# Altium PCB SFYTH_PCB2.PcbDoc (part 3 of 3)
Units mil, origin at the board's own origin, x right, y up, seen from the top; angles counter-clockwise.
Board outline 3935.4 x 3935 mil, 2 copper layers (Top Layer, Bottom Layer); 60 components, 80 nets, 272 pads, 22 vias.
Unrouted connection lines stored in the file: 3.
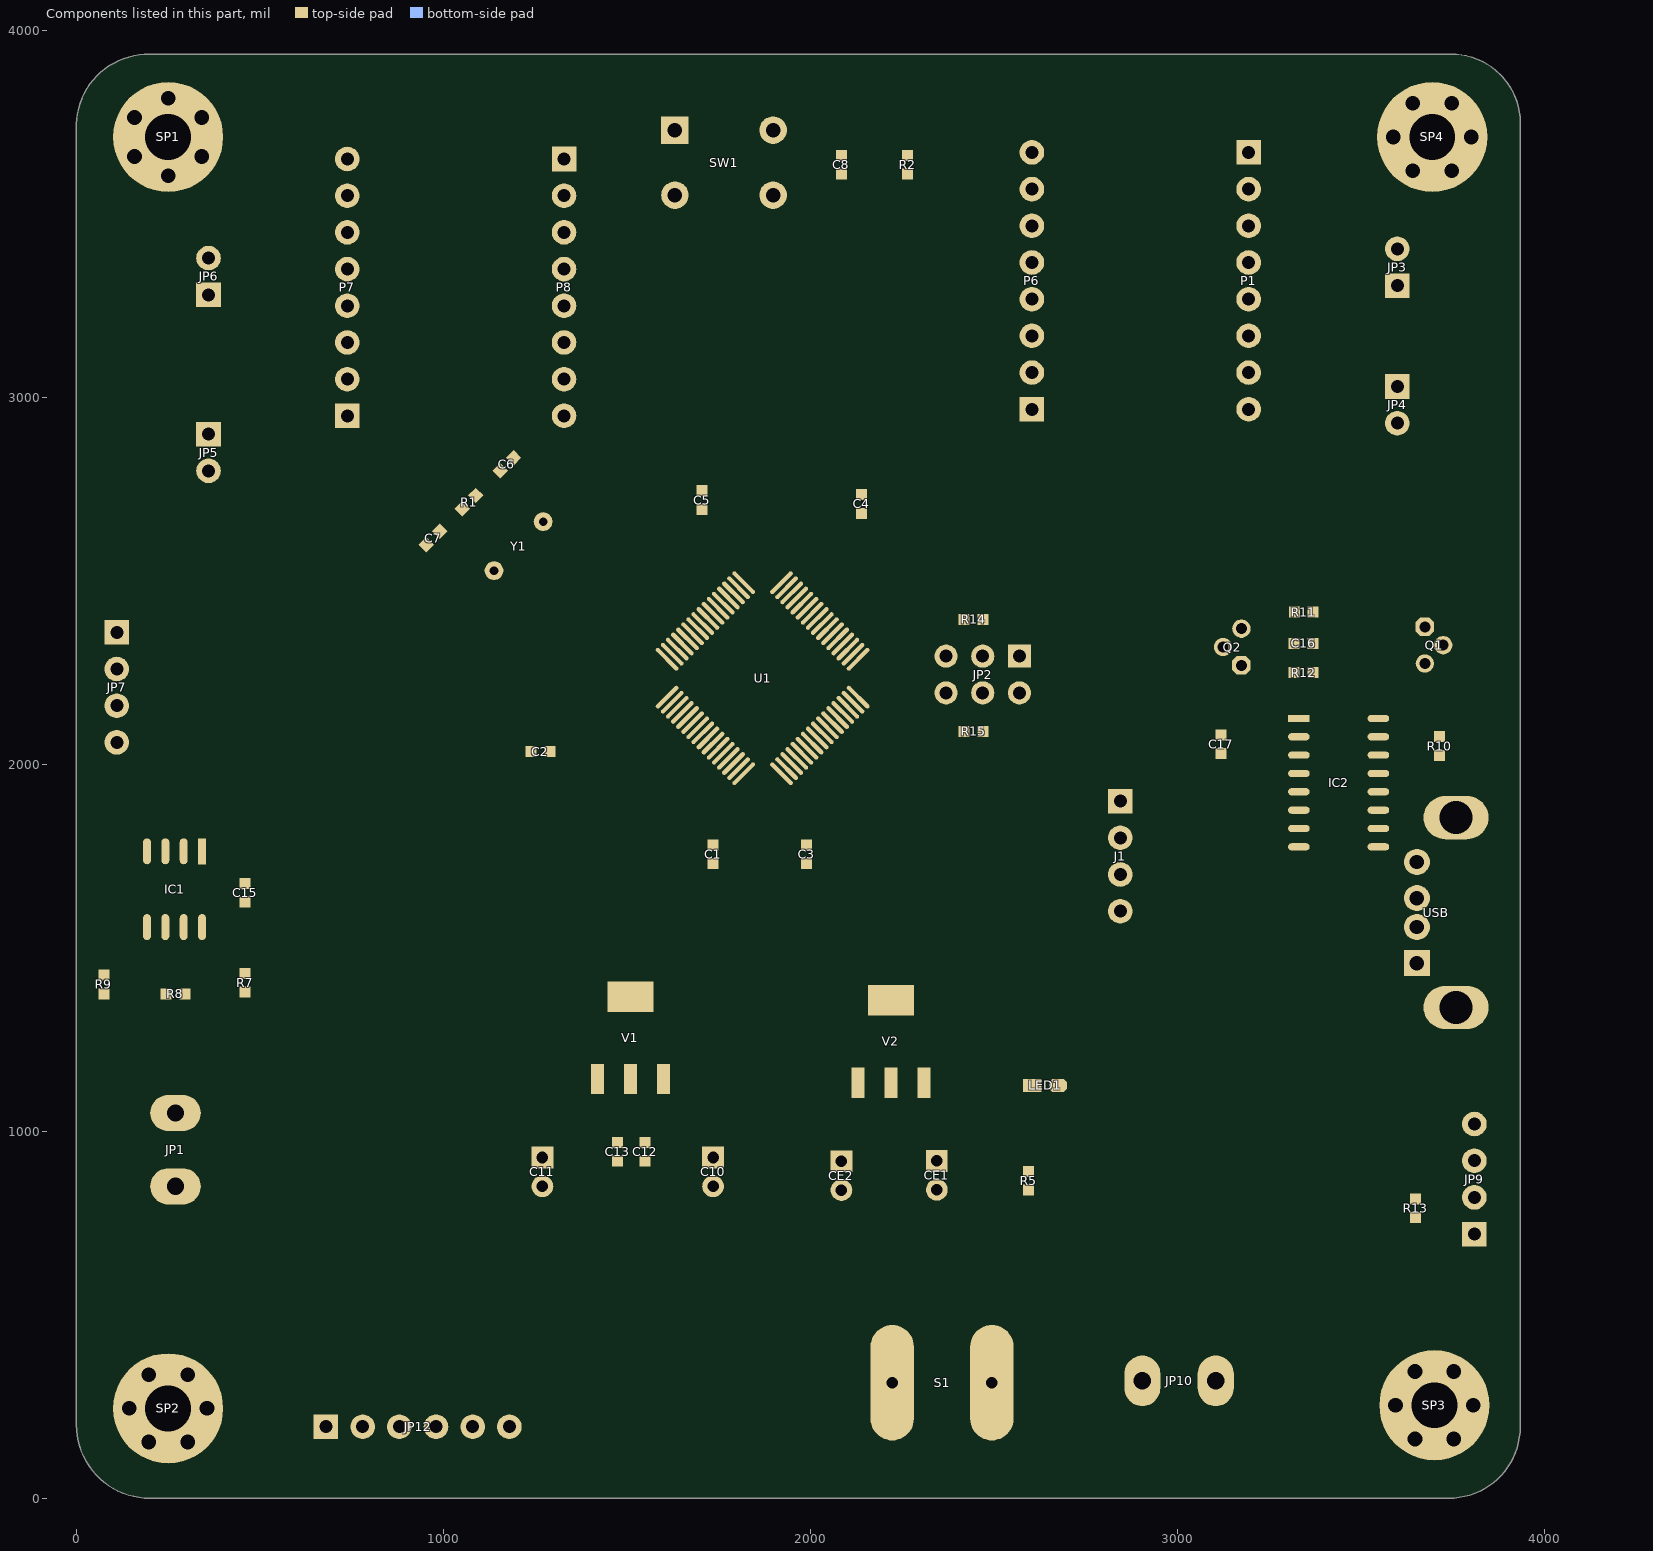
[diagram p3: the components of this part, seen from the top]

## Via types
v1: diameter 20, hole 12, Top Layer to Bottom Layer, 21 vias
v2: diameter 30, hole 20, Top Layer to Bottom Layer, 1 vias

## Nets (pads, with @x,y where several pads share a name; then routed paths per layer and width w, separated by ;. In a path a pad name is that pad's centre, name@x,y a point inside that pad or via, vN(x,y) a via of type N, cw(c..) or ccw(c..) an arc to the next point about the centre after c; other vN are vias at no path point) (continued)
copper on no net: (continued)
  Top Layer w1: 435.5,565 452.5,565 437.5,565 ; 435.5,566 452.5,566 437.5,566 ; 435.5,567 453.5,567 ; 436.5,534 445.5,534 ; 436.5,563 451.5,563 ; 436.5,564 451.5,564 ; 436.5,568 453.5,568 ; 436.5,569 453.5,569 438.5,569 ; 436.5,570 453.5,570 438.5,570 ; 436.5,571 454.5,571 ; 437.5,488 451.5,488 ; 437.5,507 480.5,507 ; 437.5,567 452.5,567 ; 437.5,568 452.5,568 ; 437.5,572 454.5,572 ; 437.5,573 454.5,573 439.5,573 ; 437.5,574 454.5,574 439.5,574 ; 437.5,575 455.5,575 ; 438.5,535 445.5,535 ; 438.5,571 453.5,571 ; 438.5,572 453.5,572 ; 438.5,576 455.5,576 ; 438.5,577 455.5,577 440.5,577 ; 438.5,578 455.5,578 440.5,578 ; 438.5,579 456.5,579 ; 439.5,489 450.5,489 ; 439.5,536 445.5,536 ; 439.5,575 454.5,575 ; 439.5,576 454.5,576 ; 439.5,580 456.5,580 ; 439.5,581 456.5,581 441.5,581 ; 439.5,582 456.5,582 441.5,582 ; 439.5,583 457.5,583 ; 440.5,506 480.5,506 ; 440.5,579 455.5,579 ; 440.5,580 455.5,580 ; 440.5,584 457.5,584 ; 440.5,585 457.5,585 442.5,585 ; 440.5,586 457.5,586 442.5,586 ; 440.5,587 458.5,587 ; 441.5,490 449.5,490 ; 441.5,505 536.5,505 ; 441.5,537 445.5,537 ; 441.5,583 456.5,583 ; 441.5,584 456.5,584 ; 441.5,588 458.5,588 ; 441.5,589 458.5,589 443.5,589 ; 441.5,590 458.5,590 443.5,590 ; 441.5,591 459.5,591 ; 442.5,491 448.5,491 ; 442.5,492 448.5,492 ; 442.5,503 536.5,503 ; 442.5,504 536.5,504 ; 442.5,538 446.5,538 ; 442.5,587 457.5,587 ; 442.5,588 457.5,588 ; 442.5,592 459.5,592 ; 442.5,593 459.5,593 444.5,593 ; 442.5,594 459.5,594 444.5,594 ; 442.5,595 460.5,595 ; 443.5,493 447.5,493 ; 443.5,494 447.5,494 ; 443.5,495 447.5,495 ; 443.5,500 449.5,500 ; 443.5,501 449.5,501 ; 443.5,502 451.5,502 ; 443.5,539 446.5,539 ; 443.5,591 458.5,591 ; 443.5,592 458.5,592 ; 443.5,596 460.5,596 ; 443.5,597 460.5,597 445.5,597 ; 443.5,598 460.5,598 445.5,598 ; 443.5,599 461.5,599 ; 444.5,496 447.5,496 ; 444.5,497 447.5,497 ; 444.5,498 448.5,498 ; 444.5,499 448.5,499 ; 444.5,513 452.5,513 ; 444.5,514 450.5,514 ; 444.5,515 449.5,515 ; 444.5,516 449.5,516 ; 444.5,517 448.5,517 ; 444.5,518 448.5,518 ; 444.5,519 448.5,519 ; 444.5,520 448.5,520 ; 444.5,521 448.5,521 ; 444.5,522 448.5,522 ; 444.5,523 448.5,523 ; 444.5,524 449.5,524 ; 444.5,525 449.5,525 ; 444.5,526 450.5,526 ; 444.5,527 451.5,527 ; 444.5,531 496.5,531 ; 444.5,532 496.5,532 ; 444.5,540 446.5,540 ; 444.5,595 459.5,595 ; 444.5,596 459.5,596 ; 444.5,600 461.5,600 ; 444.5,601 461.5,601 446.5,601 ; 444.5,602 461.5,602 446.5,602 ; 444.5,603 462.5,603 ; 445.5,541 446.5,541 ; 445.5,599 460.5,599 ; 445.5,600 460.5,600 ; 445.5,604 462.5,604 ; 445.5,605 462.5,605 447.5,605 ; 445.5,606 462.5,606 447.5,606 ; 445.5,607 463.5,607 ; 446.5,603 461.5,603 ; 446.5,604 461.5,604 ; 446.5,608 463.5,608 ; 446.5,609 463.5,609 448.5,609 ; 446.5,610 463.5,610 448.5,610 ; 446.5,611 464.5,611 ; 447.5,607 462.5,607 ; 447.5,608 462.5,608 ; 447.5,612 464.5,612 ; 447.5,613 464.5,613 449.5,613 ; 447.5,614 464.5,614 449.5,614 ; 448.5,611 463.5,611 ; 448.5,612 463.5,612 ; 449.5,615 464.5,615 ; 449.5,616 464.5,616 ; 450.5,617 465.5,617 ; 450.5,618 465.5,618 ; 450.5,619 465.5,619 ; 450.5,620 465.5,620 ; 451.5,493 471.5,493 ; 451.5,497 457.5,497 ; 451.5,498 457.5,498 ; 451.5,621 466.5,621 ; 451.5,622 466.5,622 ; 451.5,623 466.5,623 ; 451.5,624 466.5,624 ; 452.5,492 471.5,492 ; 452.5,499 457.5,499 ; 452.5,510 457.5,510 ; 452.5,519 459.5,519 ; 452.5,520 459.5,520 ; 452.5,521 459.5,521 ; 452.5,522 458.5,522 ; 452.5,625 467.5,625 ; 452.5,626 467.5,626 ; 452.5,627 467.5,627 ; 452.5,628 467.5,628 ; 453.5,491 459.5,491 ; 453.5,517 458.5,517 ; 453.5,518 458.5,518 ; 453.5,523 458.5,523 ; 453.5,629 468.5,629 ; 453.5,630 468.5,630 ; 453.5,631 468.5,631 ; 453.5,632 468.5,632 ; 454.5,516 457.5,516 ; 454.5,524 457.5,524 ; 454.5,633 469.5,633 ; 454.5,634 469.5,634 ; 454.5,635 469.5,635 ; 454.5,636 469.5,636 ; 455.5,637 470.5,637 ; 455.5,638 470.5,638 ; 455.5,639 470.5,639 ; 456.5,513 459.5,513 ; 457.5,527 459.5,527 ; 458.5,502 467.5,502 ; 458.5,514 459.5,514 ; 459.5,488 465.5,488 ; 459.5,501 466.5,501 ; 459.5,507 646.5,507 ; 460.5,489 465.5,489 ; 460.5,490 465.5,490 ; 460.5,491 471.5,491 ; 460.5,499 465.5,499 ; 460.5,500 465.5,500 ; 460.5,508 646.5,508 ; 461.5,494 468.5,494 ; 461.5,495 466.5,495 ; 461.5,496 465.5,496 ; 461.5,497 465.5,497 ; 461.5,498 465.5,498 ; 461.5,509 646.5,509 ; 462.5,510 646.5,510 ; 462.5,511 646.5,511 ; 462.5,512 646.5,512 ; 463.5,513 468.5,513 ; 463.5,514 468.5,514 ; 463.5,515 468.5,515 ; 463.5,516 468.5,516 ; 463.5,517 468.5,517 ; 463.5,518 468.5,518 ; 463.5,519 468.5,519 ; 463.5,520 468.5,520 ; 463.5,521 468.5,521 ; 463.5,522 468.5,522 ; 463.5,523 468.5,523 ; 463.5,524 468.5,524 ; 463.5,525 468.5,525 ; 463.5,526 468.5,526 ; 463.5,527 468.5,527 ; 469.5,498 480.5,498 ; 469.5,499 480.5,499 ; 470.5,497 480.5,497 ; 472.5,513 478.5,513 ; 472.5,514 478.5,514 ; 472.5,515 478.5,515 ; 472.5,516 478.5,516 ; 472.5,517 478.5,517 ; 472.5,518 478.5,518 ; 472.5,519 478.5,519 ; 472.5,520 478.5,520 ; 472.5,521 478.5,521 ; 472.5,522 477.5,522 ; 472.5,527 473.5,527 ; 473.5,488 480.5,488 ; 473.5,496 480.5,496 ; 473.5,523 477.5,523 ; 473.5,524 477.5,524 ; 474.5,489 480.5,489 ; 474.5,495 480.5,495 ; 474.5,500 480.5,500 ; 475.5,490 480.5,490 ; 475.5,491 480.5,491 ; 475.5,492 480.5,492 ; 475.5,493 480.5,493 ; 475.5,494 480.5,494 ; 475.5,501 480.5,501 ; 475.5,502 480.5,502 ; 475.5,533 490.5,533 ; 475.5,534 490.5,534 ; 475.5,535 490.5,535 ; 476.5,536 491.5,536 ; 476.5,537 491.5,537 ; 476.5,538 491.5,538 ; 476.5,539 491.5,539 ; 477.5,540 492.5,540 ; 477.5,541 492.5,541 ; 477.5,542 492.5,542 ; 477.5,543 492.5,543 ; 478.5,544 493.5,544 ; 478.5,545 493.5,545 ; 478.5,546 493.5,546 ; 478.5,547 493.5,547 ; 479.5,527 496.5,527 ; 479.5,548 494.5,548 ; 479.5,549 494.5,549 ; 479.5,550 494.5,550 ; 479.5,551 494.5,551 ; 480.5,526 496.5,526 ; 480.5,552 495.5,552 ; 480.5,553 495.5,553 ; 480.5,554 495.5,554 ; 480.5,555 495.5,555 ; 481.5,513 496.5,513 ; 481.5,514 496.5,514 ; 481.5,515 496.5,515 ; 481.5,516 496.5,516 ; 481.5,517 496.5,517 ; 481.5,518 496.5,518 ; 481.5,519 496.5,519 ; 481.5,520 496.5,520 ; 481.5,521 496.5,521 ; 481.5,522 496.5,522 ; 481.5,523 496.5,523 ; 481.5,524 496.5,524 ; 481.5,525 496.5,525 ; 481.5,556 496.5,556 ; 481.5,557 496.5,557 ; 481.5,560 499.5,560 ; 481.5,561 499.5,561 ; 482.5,560 497.5,560 ; 482.5,561 497.5,561 ; 482.5,564 500.5,564 ; 482.5,565 500.5,565 ; 483.5,564 498.5,564 ; 483.5,565 498.5,565 ; 483.5,568 501.5,568 ; 483.5,569 501.5,569 ; 484.5,488 492.5,488 ; 484.5,489 490.5,489 ; 484.5,490 489.5,490 ; 484.5,491 489.5,491 ; 484.5,492 488.5,492 ; 484.5,493 488.5,493 ; 484.5,494 488.5,494 ; 484.5,495 488.5,495 ; 484.5,496 488.5,496 ; 484.5,497 488.5,497 ; 484.5,498 488.5,498 ; 484.5,499 489.5,499 ; 484.5,500 489.5,500 ; 484.5,501 490.5,501 ; 484.5,502 491.5,502 ; 484.5,506 536.5,506 ; 484.5,507 536.5,507 ; 484.5,508 585.5,508 ; 484.5,568 499.5,568 ; 484.5,569 499.5,569 ; 484.5,572 502.5,572 ; 484.5,573 502.5,573 ; 485.5,572 500.5,572 ; 485.5,573 500.5,573 ; 485.5,576 503.5,576 ; 485.5,577 503.5,577 ; 486.5,576 501.5,576 ; 486.5,577 501.5,577 ; 486.5,580 504.5,580 ; 486.5,581 504.5,581 ; 487.5,580 502.5,580 ; 487.5,581 502.5,581 ; 487.5,584 505.5,584 ; 487.5,585 505.5,585 ; 488.5,584 503.5,584 ; 488.5,585 503.5,585 ; 488.5,588 506.5,588 ; 488.5,589 506.5,589 ; 489.5,588 504.5,588 ; 489.5,589 504.5,589 ; 489.5,592 507.5,592 ; 489.5,593 507.5,593 ; 490.5,592 505.5,592 ; 490.5,593 505.5,593 ; 490.5,596 508.5,596 ; 490.5,597 508.5,597 ; 491.5,596 506.5,596 ; 491.5,597 506.5,597 ; 491.5,600 509.5,600 ; 491.5,601 509.5,601 ; 492.5,485 497.5,485 ; 492.5,494 499.5,494 ; 492.5,495 499.5,495 ; 492.5,496 499.5,496 ; 492.5,497 498.5,497 ; 492.5,600 507.5,600 ; 492.5,601 507.5,601 ; 492.5,604 510.5,604 ; 492.5,605 510.5,605 ; 493.5,492 498.5,492 ; 493.5,493 498.5,493 ; 493.5,498 498.5,498 ; 493.5,604 508.5,604 ; 493.5,605 508.5,605 ; 493.5,608 511.5,608 ; 493.5,609 511.5,609 ; 494.5,491 497.5,491 ; 494.5,499 497.5,499 ; 494.5,608 509.5,608 ; 494.5,609 509.5,609 ; 494.5,612 512.5,612 ; 494.5,613 512.5,613 ; 495.5,612 510.5,612 ; 495.5,613 510.5,613 ; 495.5,615 512.5,615 ; 496.5,488 499.5,488 ; 496.5,558 481.5,558 498.5,558 ; 496.5,559 481.5,559 498.5,559 ; 496.5,616 512.5,616 ; 496.5,617 512.5,617 ; 497.5,502 499.5,502 ; 497.5,562 482.5,562 499.5,562 ; 497.5,563 482.5,563 499.5,563 ; 497.5,618 512.5,618 ; 498.5,489 499.5,489 ; 498.5,566 483.5,566 500.5,566 ; 498.5,567 483.5,567 500.5,567 ; 498.5,619 512.5,619 ; 499.5,482 686.5,482 ; 499.5,570 484.5,570 501.5,570 ; 499.5,571 484.5,571 501.5,571 ; 499.5,620 511.5,620 ; 499.5,631 500.5,631 ; 499.5,632 501.5,632 ; 500.5,483 686.5,483 ; 500.5,574 485.5,574 502.5,574 ; 500.5,575 485.5,575 502.5,575 ; 500.5,633 502.5,633 ; 500.5,634 503.5,634 ; 500.5,635 504.5,635 ; 500.5,636 505.5,636 ; 501.5,484 686.5,484 ; 501.5,516 513.5,516 ; 501.5,517 513.5,517 ; 501.5,518 513.5,518 ; 501.5,519 513.5,519 ; 501.5,520 514.5,520 ; 501.5,521 515.5,521 ; 501.5,525 514.5,525 ; 501.5,526 514.5,526 ; 501.5,527 515.5,527 ; 501.5,528 590.5,528 ; 501.5,529 590.5,529 ; 501.5,578 486.5,578 503.5,578 ; 501.5,579 486.5,579 503.5,579 ; 501.5,621 510.5,621 ; 501.5,637 507.5,637 ; 501.5,638 508.5,638 ; 501.5,639 510.5,639 ; 502.5,485 686.5,485 ; 502.5,486 686.5,486 ; 502.5,487 686.5,487 ; 502.5,582 487.5,582 504.5,582 ; 502.5,583 487.5,583 504.5,583 ; 503.5,488 508.5,488 ; 503.5,489 508.5,489 ; 503.5,490 508.5,490 ; 503.5,491 508.5,491 ; 503.5,492 508.5,492 ; 503.5,493 508.5,493 ; 503.5,494 508.5,494 ; 503.5,495 508.5,495 ; 503.5,496 508.5,496 ; 503.5,497 508.5,497 ; 503.5,498 508.5,498 ; 503.5,499 508.5,499 ; 503.5,500 508.5,500 ; 503.5,501 508.5,501 ; 503.5,502 508.5,502 ; 503.5,586 488.5,586 505.5,586 ; 503.5,587 488.5,587 505.5,587 ; 504.5,590 489.5,590 506.5,590 ; 504.5,591 489.5,591 506.5,591 ; 505.5,594 490.5,594 507.5,594 ; 505.5,595 490.5,595 507.5,595 ; 506.5,598 491.5,598 508.5,598 ; 506.5,599 491.5,599 508.5,599 ; 507.5,602 492.5,602 509.5,602 ; 507.5,603 492.5,603 509.5,603 ; 508.5,513 515.5,513 ; 508.5,514 513.5,514 ; 508.5,515 513.5,515 ; 508.5,522 522.5,522 ; 508.5,523 522.5,523 ; 508.5,524 514.5,524 ; 508.5,530 590.5,530 ; 508.5,531 545.5,531 ; 508.5,532 545.5,532 ; 508.5,606 493.5,606 510.5,606 ; 508.5,607 493.5,607 510.5,607 ; 509.5,610 494.5,610 511.5,610 ; 509.5,611 494.5,611 511.5,611 ; 510.5,614 495.5,614 512.5,614 ; 512.5,488 518.5,488 ; 512.5,489 518.5,489 ; 512.5,490 518.5,490 ; 512.5,491 518.5,491 ; 512.5,492 518.5,492 ; 512.5,493 518.5,493 ; 512.5,494 518.5,494 ; 512.5,495 518.5,495 ; 512.5,496 518.5,496 ; 512.5,497 517.5,497 ; 512.5,502 513.5,502 ; 513.5,498 517.5,498 ; 513.5,499 517.5,499 ; 516.5,517 522.5,517 ; 516.5,524 521.5,524 ; 517.5,516 521.5,516 ; 517.5,518 522.5,518 ; 518.5,519 522.5,519 ; 519.5,502 536.5,502 ; 520.5,501 536.5,501 ; 521.5,488 536.5,488 ; 521.5,489 536.5,489 ; 521.5,490 536.5,490 ; 521.5,491 536.5,491 ; 521.5,492 536.5,492 ; 521.5,493 536.5,493 ; 521.5,494 536.5,494 ; 521.5,495 536.5,495 ; 521.5,496 536.5,496 ; 521.5,497 536.5,497 ; 521.5,498 536.5,498 ; 521.5,499 536.5,499 ; 521.5,500 536.5,500 ; 521.5,513 522.5,513 ; 521.5,533 538.5,533 ; 521.5,534 538.5,534 ; 521.5,535 539.5,535 ; 521.5,536 539.5,536 ; 522.5,537 539.5,537 ; 522.5,538 539.5,538 ; 522.5,539 540.5,539 ; 522.5,540 540.5,540 ; 523.5,527 532.5,527 ; 523.5,541 540.5,541 ; 523.5,542 540.5,542 ; 523.5,543 541.5,543 ; 523.5,544 541.5,544 ; 524.5,526 531.5,526 ; 524.5,545 541.5,545 ; 524.5,546 541.5,546 ; 524.5,547 542.5,547 ; 524.5,548 542.5,548 ; 525.5,524 530.5,524 ; 525.5,525 530.5,525 ; 525.5,549 542.5,549 ; 525.5,550 542.5,550 ; 525.5,551 543.5,551 ; 525.5,552 543.5,552 ; 526.5,513 530.5,513 ; 526.5,514 530.5,514 ; 526.5,515 530.5,515 ; 526.5,516 536.5,516 ; 526.5,517 536.5,517 ; 526.5,518 536.5,518 ; 526.5,519 534.5,519 ; 526.5,520 531.5,520 ; 526.5,521 530.5,521 ; 526.5,522 530.5,522 ; 526.5,523 530.5,523 ; 526.5,553 543.5,553 ; 526.5,554 543.5,554 ; 526.5,555 544.5,555 ; 526.5,556 544.5,556 ; 527.5,557 544.5,557 ; 527.5,558 544.5,558 ; 527.5,559 545.5,559 ; 527.5,560 545.5,560 ; 528.5,561 545.5,561 ; 528.5,562 545.5,562 ; 528.5,563 546.5,563 ; 528.5,564 546.5,564 ; 529.5,558 546.5,558 ; 529.5,559 547.5,559 ; 529.5,560 547.5,560 ; 529.5,561 547.5,561 ; 529.5,565 546.5,565 ; 529.5,566 546.5,566 ; 529.5,567 547.5,567 ; 529.5,568 547.5,568 ; 530.5,562 547.5,562 ; 530.5,563 548.5,563 ; 530.5,564 548.5,564 ; 530.5,565 548.5,565 ; 530.5,569 547.5,569 ; 530.5,570 547.5,570 ; 530.5,571 548.5,571 ; 530.5,572 548.5,572 ; 531.5,566 548.5,566 ; 531.5,567 549.5,567 ; 531.5,568 549.5,568 ; 531.5,569 549.5,569 ; 531.5,573 548.5,573 ; 531.5,574 548.5,574 ; 531.5,575 549.5,575 ; 531.5,576 549.5,576 ; 532.5,570 549.5,570 ; 532.5,571 550.5,571 ; 532.5,572 550.5,572 ; 532.5,573 550.5,573 ; 532.5,577 549.5,577 ; 532.5,578 549.5,578 ; 532.5,579 550.5,579 ; 532.5,580 550.5,580 ; 532.5,642 569.5,642 ; 533.5,574 550.5,574 ; 533.5,575 551.5,575 ; 533.5,576 551.5,576 ; 533.5,577 551.5,577 ; 533.5,581 550.5,581 ; 533.5,582 550.5,582 ; 533.5,583 551.5,583 ; 533.5,584 551.5,584 ; 534.5,523 545.5,523 ; 534.5,524 545.5,524 ; 534.5,578 551.5,578 ; 534.5,579 552.5,579 ; 534.5,580 552.5,580 ; 534.5,581 552.5,581 ; 534.5,585 551.5,585 ; 534.5,586 551.5,586 ; 534.5,587 552.5,587 ; 534.5,588 552.5,588 ; 535.5,522 545.5,522 ; 535.5,582 552.5,582 ; 535.5,583 553.5,583 ; 535.5,584 553.5,584 ; 535.5,585 553.5,585 ; 535.5,589 552.5,589 ; 535.5,590 552.5,590 ; 536.5,586 553.5,586 ; 536.5,587 554.5,587 ; 536.5,588 554.5,588 ; 536.5,589 554.5,589 ; 536.5,591 552.5,591 ; 536.5,592 552.5,592 ; 536.5,641 563.5,641 ; 537.5,590 554.5,590 ; 537.5,591 555.5,591 ; 537.5,592 555.5,592 ; 538.5,513 545.5,513 ; 538.5,521 545.5,521 ; 538.5,595 556.5,595 ; 538.5,596 556.5,596 ; 538.5,597 556.5,597 ; 539.5,514 545.5,514 ; 539.5,595 551.5,595 ; 539.5,598 556.5,598 ; 539.5,599 557.5,599 ; 539.5,600 557.5,600 ; 539.5,601 557.5,601 ; 539.5,606 540.5,606 ; 539.5,607 541.5,607 559.5,607 ; 539.5,640 560.5,640 ; 540.5,515 545.5,515 ; 540.5,516 545.5,516 ; 540.5,518 545.5,518 ; 540.5,519 545.5,519 ; 540.5,520 545.5,520 ; 540.5,525 545.5,525 ; 540.5,526 545.5,526 ; 540.5,527 545.5,527 ; 540.5,602 557.5,602 ; 540.5,603 558.5,603 ; 540.5,604 558.5,604 ; 540.5,605 558.5,605 ; 540.5,608 542.5,608 ; 540.5,609 543.5,609 ; 540.5,610 544.5,610 ; 540.5,611 545.5,611 ; 540.5,639 558.5,639 ; 541.5,491 553.5,491 ; 541.5,492 553.5,492 ; 541.5,493 553.5,493 ; 541.5,494 553.5,494 ; 541.5,495 554.5,495 ; 541.5,496 555.5,496 ; 541.5,500 554.5,500 ; 541.5,501 554.5,501 ; 541.5,502 555.5,502 ; 541.5,503 630.5,503 ; 541.5,504 630.5,504 ; 541.5,517 545.5,517 ; 541.5,596 550.5,596 ; 541.5,606 558.5,606 ; 541.5,608 559.5,608 ; 541.5,609 559.5,609 ; 541.5,612 547.5,612 ; 541.5,613 548.5,613 ; 541.5,614 550.5,614 ; 542.5,610 559.5,610 ; 542.5,611 560.5,611 ; 542.5,612 560.5,612 ; 542.5,638 556.5,638 ; 543.5,613 560.5,613 ; 543.5,614 560.5,614 ; 543.5,615 560.5,615 ; 543.5,636 552.5,636 ; 543.5,637 554.5,637 ; 544.5,616 561.5,616 ; 544.5,617 560.5,617 ; 544.5,635 551.5,635 ; 545.5,618 560.5,618 ; 545.5,632 548.5,632 ; 545.5,633 549.5,633 ; 545.5,634 550.5,634 ; 546.5,619 560.5,619 ; 546.5,631 547.5,631 ; 547.5,620 559.5,620 ; 548.5,488 555.5,488 ; 548.5,489 553.5,489 ; 548.5,490 553.5,490 ; 548.5,497 562.5,497 ; 548.5,498 562.5,498 ; 548.5,499 554.5,499 ; 548.5,505 630.5,505 ; 548.5,506 585.5,506 ; 548.5,507 585.5,507 ; 549.5,513 557.5,513 ; 549.5,514 556.5,514 ; 549.5,515 555.5,515 ; 549.5,516 554.5,516 ; 549.5,517 554.5,517 ; 549.5,518 553.5,518 ; 549.5,519 553.5,519 ; 549.5,520 553.5,520 ; 549.5,521 553.5,521 ; 549.5,522 553.5,522 ; 549.5,523 554.5,523 ; 549.5,524 554.5,524 ; 549.5,525 555.5,525 ; 549.5,526 556.5,526 ; 549.5,527 557.5,527 ; 549.5,531 590.5,531 ; 549.5,532 590.5,532 ; 549.5,533 590.5,533 ; 549.5,621 558.5,621 ; 552.5,593 537.5,593 555.5,593 ; 552.5,594 538.5,594 555.5,594 ; 556.5,492 562.5,492 ; 556.5,499 561.5,499 ; 557.5,491 561.5,491 ; 557.5,493 562.5,493 ; 557.5,518 572.5,518 ; 557.5,522 563.5,522 ; 557.5,523 563.5,523 ; 558.5,494 562.5,494 ; 558.5,517 572.5,517 ; 558.5,524 563.5,524 ; 559.5,516 565.5,516 ; 561.5,488 562.5,488 ; 563.5,502 572.5,502 ; 564.5,501 571.5,501 ; 564.5,527 572.5,527 ; 564.5,558 589.5,558 ; 565.5,499 570.5,499 ; 565.5,500 570.5,500 ; 565.5,513 572.5,513 ; 565.5,526 572.5,526 ; 566.5,488 570.5,488 ; 566.5,489 570.5,489 ; 566.5,490 570.5,490 ; 566.5,491 576.5,491 ; 566.5,492 576.5,492 ; 566.5,493 576.5,493 ; 566.5,494 574.5,494 ; 566.5,495 571.5,495 ; 566.5,496 570.5,496 ; 566.5,497 570.5,497 ; 566.5,498 570.5,498 ; 566.5,514 572.5,514 ; 566.5,515 572.5,515 ; 566.5,516 572.5,516 ; 566.5,524 572.5,524 ; 566.5,525 572.5,525 ; 567.5,519 572.5,519 ; 567.5,520 572.5,520 ; 567.5,521 572.5,521 ; 567.5,522 572.5,522 ; 567.5,523 572.5,523 ; 568.5,559 589.5,559 ; 569.5,533 586.5,533 ; 569.5,535 587.5,535 ; 569.5,536 587.5,536 ; 570.5,537 587.5,537 ; 570.5,538 588.5,538 ; 570.5,539 588.5,539 ; 570.5,540 588.5,540 ; 570.5,560 589.5,560 ; 571.5,541 588.5,541 ; 571.5,542 589.5,542 ; 571.5,543 589.5,543 ; 571.5,544 589.5,544 ; 572.5,545 589.5,545 ; 572.5,546 590.5,546 ; 572.5,547 590.5,547 ; 572.5,548 590.5,548 ; 572.5,561 589.5,561 ; 572.5,617 609.5,617 ; 573.5,549 590.5,549 ; 573.5,550 591.5,550 ; 573.5,551 591.5,551 ; 573.5,552 591.5,552 ; 573.5,562 589.5,562 ; 574.5,498 585.5,498 ; 574.5,499 585.5,499 ; 574.5,553 591.5,553 ; 574.5,554 592.5,554 ; 574.5,555 592.5,555 ; 574.5,556 592.5,556 ; 575.5,497 585.5,497 ; 575.5,526 576.5,526 ; 575.5,527 577.5,527 ; 575.5,557 592.5,557 ; 575.5,558 593.5,558 ; 575.5,559 593.5,559 ; 575.5,560 593.5,560 ; 575.5,563 589.5,563 ; 576.5,513 646.5,513 ; 576.5,514 646.5,514 ; 576.5,515 646.5,515 ; 576.5,516 646.5,516 ; 576.5,517 646.5,517 ; 576.5,518 646.5,518 ; 576.5,519 646.5,519 ; 576.5,520 646.5,520 ; 576.5,521 646.5,521 ; 576.5,522 646.5,522 ; 576.5,561 593.5,561 ; 576.5,562 594.5,562 ; 576.5,563 594.5,563 ; 576.5,616 603.5,616 ; 577.5,523 646.5,523 ; 577.5,567 595.5,567 ; 577.5,568 595.5,568 ; 578.5,488 585.5,488 ; 578.5,496 585.5,496 ; 578.5,567 646.5,567 ; 578.5,569 595.5,569 ; 578.5,570 596.5,570 ; 578.5,571 596.5,571 ; 578.5,572 596.5,572 ; 579.5,489 585.5,489 ; 579.5,568 646.5,568 ; 579.5,569 646.5,569 ; 579.5,573 596.5,573 ; 579.5,574 597.5,574 ; 579.5,575 597.5,575 ; 579.5,576 597.5,576 ; 579.5,615 600.5,615 ; 579.5,642 646.5,642 ; 580.5,490 585.5,490 ; 580.5,491 585.5,491 ; 580.5,493 585.5,493 ; 580.5,494 585.5,494 ; 580.5,495 585.5,495 ; 580.5,500 585.5,500 ; 580.5,501 585.5,501 ; 580.5,502 585.5,502 ; 580.5,524 646.5,524 ; 580.5,525 646.5,525 ; 580.5,526 646.5,526 ; 580.5,527 590.5,527 ; 580.5,570 646.5,570 ; 580.5,571 646.5,571 ; 580.5,577 597.5,577 ; 580.5,578 598.5,578 ; 580.5,579 598.5,579 ; 580.5,580 598.5,580 ; 580.5,614 598.5,614 ; 581.5,492 585.5,492 ; 581.5,572 646.5,572 ; 581.5,573 646.5,573 ; 581.5,574 646.5,574 ; 581.5,575 646.5,575 ; 581.5,581 598.5,581 ; 581.5,582 599.5,582 ; 581.5,583 599.5,583 ; 581.5,584 599.5,584 ; 582.5,576 646.5,576 ; 582.5,577 646.5,577 ; 582.5,578 646.5,578 ; 582.5,579 646.5,579 ; 582.5,585 599.5,585 ; 582.5,586 600.5,586 ; 582.5,587 600.5,587 ; 582.5,613 596.5,613 ; 583.5,580 646.5,580 ; 583.5,581 646.5,581 ; 583.5,582 646.5,582 ; 583.5,583 646.5,583 ; 583.5,588 600.5,588 ; 583.5,589 600.5,589 ; 583.5,590 600.5,590 ; 583.5,611 592.5,611 ; 583.5,612 594.5,612 ; 584.5,584 646.5,584 ; 584.5,585 646.5,585 ; 584.5,586 646.5,586 ; 584.5,587 646.5,587 ; 584.5,591 601.5,591 ; 584.5,592 600.5,592 ; 584.5,610 591.5,610 ; 584.5,641 646.5,641 ; 585.5,588 646.5,588 ; 585.5,589 646.5,589 ; 585.5,590 646.5,590 ; 585.5,591 646.5,591 ; 585.5,593 600.5,593 ; 585.5,607 588.5,607 ; 585.5,608 589.5,608 ; 585.5,609 590.5,609 646.5,609 ; 586.5,592 646.5,592 ; 586.5,593 646.5,593 ; 586.5,595 646.5,595 ; 586.5,606 587.5,606 ; 586.5,640 646.5,640 ; 587.5,566 577.5,566 595.5,566 594.5,566 ; 587.5,595 599.5,595 ; 587.5,596 646.5,596 ; 587.5,597 646.5,597 ; 587.5,598 646.5,598 ; 587.5,599 646.5,599 ; 588.5,600 646.5,600 ; 588.5,601 646.5,601 ; 588.5,602 646.5,602 ; 588.5,603 646.5,603 ; 588.5,639 646.5,639 ; 589.5,488 597.5,488 ; 589.5,489 596.5,489 ; 589.5,490 595.5,490 ; 589.5,491 594.5,491 ; 589.5,492 594.5,492 ; 589.5,493 593.5,493 ; 589.5,494 593.5,494 ; 589.5,495 593.5,495 ; 589.5,496 593.5,496 ; 589.5,497 593.5,497 ; 589.5,498 594.5,498 ; 589.5,499 594.5,499 ; 589.5,500 595.5,500 ; 589.5,501 596.5,501 ; 589.5,502 597.5,502 ; 589.5,506 630.5,506 ; 589.5,507 630.5,507 ; 589.5,508 630.5,508 ; 589.5,564 576.5,564 594.5,564 ; 589.5,565 577.5,565 594.5,565 ; 589.5,596 598.5,596 ; 589.5,604 646.5,604 ; 589.5,605 646.5,605 ; 589.5,606 646.5,606 ; 589.5,607 646.5,607 ; 590.5,608 646.5,608 ; 590.5,610 646.5,610 ; 590.5,611 646.5,611 ; 590.5,638 646.5,638 ; 591.5,527 595.5,527 ; 591.5,528 595.5,528 ; 591.5,529 595.5,529 ; 591.5,530 595.5,530 ; 591.5,531 595.5,531 ; 591.5,532 595.5,532 ; 591.5,533 595.5,533 ; 591.5,558 595.5,558 ; 591.5,559 595.5,559 ; 591.5,560 595.5,560 ; 591.5,561 595.5,561 ; 591.5,562 595.5,562 ; 591.5,563 595.5,563 ; 591.5,564 595.5,564 ; 591.5,565 595.5,565 ; 591.5,612 646.5,612 ; 591.5,613 646.5,613 ; 591.5,614 646.5,614 ; 591.5,615 646.5,615 ; 591.5,637 646.5,637 ; 592.5,616 646.5,616 ; 592.5,617 646.5,617 ; 592.5,618 646.5,618 ; 592.5,619 646.5,619 ; 592.5,635 646.5,635 ; 592.5,636 646.5,636 ; 593.5,620 646.5,620 ; 593.5,621 646.5,621 ; 593.5,622 646.5,622 ; 593.5,623 646.5,623 ; 593.5,624 646.5,624 ; 593.5,631 646.5,631 ; 593.5,632 646.5,632 ; 593.5,633 646.5,633 ; 593.5,634 646.5,634 ; 594.5,534 595.5,534 ; 594.5,625 646.5,625 ; 594.5,626 646.5,626 ; 594.5,627 646.5,627 ; 594.5,628 646.5,628 ; 594.5,629 646.5,629 ; 594.5,630 646.5,630 ; 597.5,493 612.5,493 ; 597.5,497 603.5,497 ; 597.5,498 603.5,498 ; 597.5,527 599.5,527 ; 597.5,528 599.5,528 ; 597.5,529 598.5,529 ; 597.5,530 598.5,530 ; 597.5,558 599.5,558 ; 597.5,559 599.5,559 ; 597.5,560 599.5,560 ; 597.5,561 598.5,561 ; 597.5,562 598.5,562 ; 598.5,492 612.5,492 ; 598.5,499 603.5,499 ; 598.5,533 602.5,533 ; 598.5,534 603.5,534 ; 598.5,565 602.5,565 ; 598.5,566 603.5,566 ; 599.5,491 605.5,491 ; 599.5,531 601.5,531 ; 599.5,532 602.5,532 ; 599.5,562 601.5,562 ; 599.5,563 602.5,563 ; 599.5,564 602.5,564 ; 600.5,530 601.5,530 ; 600.5,561 601.5,561 ; 600.5,594 586.5,594 646.5,594 ; 601.5,527 604.5,527 ; 601.5,558 604.5,558 ; 602.5,528 604.5,528 ; 602.5,529 604.5,529 ; 602.5,559 604.5,559 ; 602.5,560 604.5,560 ; 602.5,561 604.5,561 ; 603.5,530 604.5,530 ; 603.5,531 604.5,531 ; 603.5,562 604.5,562 ; 603.5,563 604.5,563 ; 604.5,502 612.5,502 ; 604.5,533 629.5,533 ; 605.5,488 612.5,488 ; 605.5,501 612.5,501 ; 605.5,527 646.5,527 ; 605.5,528 646.5,528 ; 605.5,529 646.5,529 ; 605.5,530 646.5,530 ; 605.5,531 646.5,531 ; 605.5,532 646.5,532 ; 605.5,533 646.5,533 ; 605.5,534 646.5,534 ; 605.5,558 646.5,558 ; 605.5,559 646.5,559 ; 605.5,560 646.5,560 ; 605.5,561 646.5,561 ; 605.5,562 646.5,562 ; 605.5,563 646.5,563 ; 605.5,564 646.5,564 ; 605.5,565 646.5,565 ; 605.5,566 646.5,566 ; 606.5,489 612.5,489 ; 606.5,490 612.5,490 ; 606.5,491 612.5,491 ; 606.5,499 612.5,499 ; 606.5,500 612.5,500 ; 607.5,494 612.5,494 ; 607.5,495 612.5,495 ; 607.5,496 612.5,496 ; 607.5,497 612.5,497 ; 607.5,498 612.5,498 ; 608.5,534 629.5,534 ; 610.5,535 629.5,535 ; 612.5,536 629.5,536 ; 613.5,537 629.5,537 ; 615.5,501 616.5,501 ; 615.5,502 617.5,502 ; 615.5,538 629.5,538 ; 616.5,488 686.5,488 ; 616.5,489 686.5,489 ; 616.5,490 686.5,490 ; 616.5,491 686.5,491 ; 616.5,492 686.5,492 ; 616.5,493 686.5,493 ; 616.5,494 686.5,494 ; 616.5,495 686.5,495 ; 616.5,496 686.5,496 ; 616.5,497 686.5,497 ; 616.5,539 629.5,539 ; 617.5,498 686.5,498 ; 617.5,540 629.5,540 ; 617.5,541 627.5,541 ; 618.5,542 686.5,542 ; 619.5,543 686.5,543 ; 619.5,544 686.5,544 ; 619.5,617 686.5,617 ; 620.5,499 686.5,499 ; 620.5,500 686.5,500 ; 620.5,501 686.5,501 ; 620.5,502 630.5,502 ; 620.5,545 686.5,545 ; 620.5,546 686.5,546 ; 621.5,547 686.5,547 ; 621.5,548 686.5,548 ; 621.5,549 686.5,549 ; 621.5,550 686.5,550 ; 622.5,551 686.5,551 ; 622.5,552 686.5,552 ; 622.5,553 686.5,553 ; 622.5,554 686.5,554 ; 623.5,555 686.5,555 ; 623.5,556 686.5,556 ; 623.5,557 686.5,557 ; 623.5,558 686.5,558 ; 624.5,559 686.5,559 ; 624.5,560 686.5,560 ; 624.5,561 686.5,561 ; 624.5,562 686.5,562 ; 624.5,616 686.5,616 ; 625.5,563 686.5,563 ; 625.5,564 686.5,564 ; 625.5,565 686.5,565 ; 625.5,566 686.5,566 ; 626.5,567 686.5,567 ; 626.5,568 686.5,568 ; 626.5,569 686.5,569 ; 626.5,570 686.5,570 ; 626.5,615 686.5,615 ; 627.5,571 686.5,571 ; 627.5,572 686.5,572 ; 627.5,573 686.5,573 ; 627.5,574 686.5,574 ; 628.5,575 686.5,575 ; 628.5,576 686.5,576 ; 628.5,577 686.5,577 ; 628.5,578 686.5,578 ; 628.5,614 686.5,614 ; 629.5,579 686.5,579 ; 629.5,580 686.5,580 ; 629.5,581 686.5,581 ; 629.5,582 686.5,582 ; 630.5,583 686.5,583 ; 630.5,584 686.5,584 ; 630.5,585 686.5,585 ; 630.5,586 686.5,586 ; 630.5,613 686.5,613 ; 631.5,502 635.5,502 ; 631.5,503 635.5,503 ; 631.5,504 635.5,504 ; 631.5,505 635.5,505 ; 631.5,506 635.5,506 ; 631.5,507 635.5,507 ; 631.5,508 635.5,508 ; 631.5,533 635.5,533 ; 631.5,534 635.5,534 ; 631.5,535 635.5,535 ; 631.5,536 635.5,536 ; 631.5,537 635.5,537 ; 631.5,538 635.5,538 ; 631.5,539 635.5,539 ; 631.5,540 635.5,540 ; 631.5,587 686.5,587 ; 631.5,588 686.5,588 ; 631.5,589 686.5,589 ; 631.5,590 686.5,590 ; 631.5,612 686.5,612 ; 632.5,591 686.5,591 ; 632.5,592 686.5,592 ; 632.5,593 686.5,593 ; 632.5,594 686.5,594 ; 632.5,610 686.5,610 ; 632.5,611 686.5,611 ; 633.5,595 686.5,595 ; 633.5,596 686.5,596 ; 633.5,597 686.5,597 ; 633.5,598 686.5,598 ; 633.5,599 686.5,599 ; 633.5,606 686.5,606 ; 633.5,607 686.5,607 ; 633.5,608 686.5,608 ; 633.5,609 686.5,609 ; 634.5,509 635.5,509 ; 634.5,541 635.5,541 ; 634.5,600 686.5,600 ; 634.5,601 686.5,601 ; 634.5,602 686.5,602 ; 634.5,603 686.5,603 ; 634.5,604 686.5,604 ; 634.5,605 686.5,605 ; 637.5,502 639.5,502 ; 637.5,503 639.5,503 ; 637.5,504 638.5,504 ; 637.5,505 638.5,505 ; 637.5,533 639.5,533 ; 637.5,534 639.5,534 ; 637.5,535 639.5,535 ; 637.5,536 638.5,536 ; 637.5,537 638.5,537 ; 638.5,508 642.5,508 ; 638.5,509 643.5,509 ; 638.5,540 642.5,540 ; 638.5,541 643.5,541 ; 639.5,506 641.5,506 ; 639.5,507 642.5,507 ; 639.5,537 641.5,537 ; 639.5,538 642.5,538 ; 639.5,539 642.5,539 ; 640.5,505 641.5,505 ; 640.5,536 641.5,536 ; 641.5,502 644.5,502 ; 641.5,533 644.5,533 ; 642.5,503 644.5,503 ; 642.5,504 644.5,504 ; 642.5,534 644.5,534 ; 642.5,535 644.5,535 ; 642.5,536 644.5,536 ; 643.5,505 644.5,505 ; 643.5,506 644.5,506 ; 643.5,537 644.5,537 ; 643.5,538 644.5,538 ; 645.5,502 686.5,502 ; 645.5,503 686.5,503 ; 645.5,504 686.5,504 ; 645.5,505 686.5,505 ; 645.5,506 686.5,506 ; 645.5,507 686.5,507 ; 645.5,508 686.5,508 ; 645.5,509 686.5,509 ; 645.5,533 686.5,533 ; 645.5,534 686.5,534 ; 645.5,535 686.5,535 ; 645.5,536 686.5,536 ; 645.5,537 686.5,537 ; 645.5,538 686.5,538 ; 645.5,539 686.5,539 ; 645.5,540 686.5,540 ; 645.5,541 686.5,541 ; 2762.5,736 3327.5,736 ; 2762.5,737 3329.5,737 ; 2762.5,738 3331.5,738 ; 2762.5,739 3333.5,739 ; 2762.5,740 3334.5,740 ; 2762.5,741 3336.5,741 ; 2762.5,742 3337.5,742 ; 2762.5,743 3338.5,743 ; 2762.5,744 3339.5,744 ; 2762.5,745 3340.5,745 ; 2762.5,746 3341.5,746 ; 2762.5,747 3342.5,747 ; 2762.5,748 3343.5,748 ; 2762.5,749 3344.5,749 ; 2762.5,750 3345.5,750 ; 2762.5,751 3346.5,751 ; 2762.5,752 3346.5,752 ; 2762.5,753 3347.5,753 ; 2762.5,754 3348.5,754 ; 2762.5,755 3348.5,755 ; 2762.5,756 3349.5,756 ; 2762.5,757 3349.5,757 ; 2762.5,758 3350.5,758 ; 2762.5,759 3350.5,759 ; 2762.5,760 3350.5,760 ; 2762.5,761 3351.5,761 ; 2762.5,762 3351.5,762 ; 2762.5,763 3351.5,763 ; 2762.5,764 3352.5,764 ; 2762.5,765 3352.5,765 ; 2762.5,766 3352.5,766 ; 2762.5,767 3352.5,767 ; 2762.5,768 3352.5,768 ; 2762.5,769 3352.5,769 ; 2762.5,770 3352.5,770 ; 2762.5,771 3352.5,771 ; 2762.5,772 3352.5,772 ; 2762.5,773 3352.5,773 ; 2762.5,774 3352.5,774 ; 2762.5,775 3352.5,775 ; 2762.5,776 3352.5,776 ; 2762.5,777 3352.5,777 ; 2762.5,778 2898.5,778 ; 2762.5,779 2897.5,779 ; 2762.5,780 2897.5,780 ; 2762.5,781 2897.5,781 ; 2762.5,782 2905.5,782 ; 2762.5,783 2906.5,783 ; 2762.5,784 2806.5,784 ; 2762.5,785 2806.5,785 ; 2762.5,786 2806.5,786 ; 2762.5,787 2806.5,787 ; 2762.5,788 2806.5,788 ; 2762.5,789 2806.5,789 ; 2762.5,790 2806.5,790 ; 2762.5,791 2806.5,791 ; 2762.5,792 2806.5,792 ; 2762.5,793 2806.5,793 ; 2762.5,794 2806.5,794 ; 2762.5,795 2806.5,795 ; 2762.5,796 2806.5,796 ; 2762.5,797 2806.5,797 ; 2762.5,798 2806.5,798 ; 2762.5,799 2806.5,799 ; 2762.5,800 2806.5,800 ; 2762.5,801 2806.5,801 ; 2762.5,802 2806.5,802 ; 2762.5,803 2806.5,803 ; 2762.5,804 2851.5,804 ; 2762.5,805 2851.5,805 ; 2762.5,806 3352.5,806 ; 2762.5,807 3352.5,807 ; 2762.5,808 3352.5,808 ; 2762.5,809 3352.5,809 ; 2762.5,810 3352.5,810 ; 2762.5,811 3352.5,811 ; 2762.5,812 3352.5,812 ; 2762.5,813 3352.5,813 ; 2762.5,814 3352.5,814 ; 2762.5,815 3352.5,815 ; 2762.5,816 3352.5,816 ; 2762.5,817 3352.5,817 ; 2762.5,818 3352.5,818 ; 2762.5,819 3352.5,819 ; 2762.5,820 3352.5,820 ; 2762.5,821 3352.5,821 ; 2762.5,822 3352.5,822 ; 2762.5,823 3352.5,823 ; 2762.5,824 3352.5,824 ; 2762.5,825 3352.5,825 ; 2762.5,826 3352.5,826 ; 2762.5,827 3081.5,827 ; 2762.5,828 2985.5,828 ; 2762.5,829 2807.5,829 ; 2762.5,830 2808.5,830 ; 2762.5,831 2808.5,831 ; 2762.5,832 2809.5,832 ; 2762.5,833 2809.5,833 ; 2762.5,834 2810.5,834 ; 2762.5,835 2810.5,835 ; 2762.5,836 2811.5,836 ; 2762.5,837 2812.5,837 ; 2762.5,838 2812.5,838 ; 2762.5,839 2813.5,839 ; 2762.5,840 2813.5,840 ; 2762.5,841 2814.5,841 ; 2762.5,842 2814.5,842 ; 2762.5,843 2815.5,843 ; 2762.5,844 2815.5,844 ; 2762.5,845 2816.5,845 ; 2762.5,846 2816.5,846 ; 2762.5,847 2817.5,847 ; 2762.5,848 2817.5,848 ; 2762.5,849 2818.5,849 ; 2762.5,850 2819.5,850 ; 2762.5,851 2819.5,851 ; 2762.5,852 2820.5,852 ; 2762.5,853 2820.5,853 ; 2762.5,854 2821.5,854 ; 2762.5,855 2821.5,855 ; 2762.5,856 2822.5,856 ; 2762.5,857 2822.5,857 ; 2762.5,858 2823.5,858 ; 2762.5,859 2823.5,859 ; 2762.5,860 2824.5,860 ; 2762.5,861 2824.5,861 ; 2762.5,862 2825.5,862 ; 2762.5,863 2825.5,863 ; 2762.5,864 2826.5,864 ; 2762.5,865 2827.5,865 ; 2762.5,866 2827.5,866 ; 2762.5,867 2828.5,867 ; 2762.5,868 2828.5,868 ; 2762.5,869 2829.5,869 ; 2762.5,870 2829.5,870 ; 2762.5,871 2830.5,871 ; 2762.5,872 2830.5,872 ; 2762.5,873 2831.5,873 ; 2762.5,874 2831.5,874 ; 2762.5,875 2832.5,875 ; 2762.5,876 2832.5,876 ; 2762.5,877 2833.5,877 ; 2762.5,878 2834.5,878 ; 2762.5,879 2834.5,879 ; 2762.5,880 2835.5,880 ; 2762.5,881 2835.5,881 ; 2762.5,882 2836.5,882 ; 2762.5,883 2836.5,883 ; 2762.5,884 2837.5,884 ; 2762.5,885 2837.5,885 ; 2762.5,886 2838.5,886 ; 2762.5,887 2838.5,887 ; 2762.5,888 2839.5,888 ; 2762.5,889 2839.5,889 ; 2762.5,890 2840.5,890 ; 2762.5,891 2840.5,891 ; 2762.5,892 2841.5,892 ; 2762.5,893 2842.5,893 ; 2762.5,894 2842.5,894 ; 2762.5,895 2843.5,895 ; 2762.5,896 2843.5,896 ; 2762.5,897 2844.5,897 ; 2762.5,898 2844.5,898 ; 2762.5,899 2845.5,899 ; 2762.5,900 2845.5,900 ; 2762.5,901 2846.5,901 ; 2762.5,902 2846.5,902 ; 2762.5,903 2847.5,903 ; 2762.5,904 2847.5,904 ; 2762.5,905 2848.5,905 ; 2762.5,906 2849.5,906 ; 2762.5,907 2849.5,907 ; 2762.5,908 2850.5,908 ; 2762.5,909 2850.5,909 ; 2762.5,910 2851.5,910 ; 2762.5,911 2851.5,911 ; 2762.5,912 2852.5,912 ; 2762.5,913 2852.5,913 ; 2762.5,914 2853.5,914 ; 2762.5,915 2853.5,915 ; 2762.5,916 2854.5,916 ; 2762.5,917 2854.5,917 ; 2762.5,918 2855.5,918 ; 2762.5,919 2856.5,919 ; 2762.5,920 2856.5,920 ; 2762.5,921 2857.5,921 ; 2762.5,922 2858.5,922 ; 2762.5,923 2859.5,923 ; 2762.5,924 2860.5,924 ; 2762.5,925 2861.5,925 ; 2762.5,926 2862.5,926 ; 2762.5,927 2863.5,927 ; 2762.5,928 2864.5,928 ; 2762.5,929 2865.5,929 ; 2762.5,930 2867.5,930 ; 2762.5,931 2868.5,931 ; 2762.5,932 2870.5,932 ; 2762.5,933 2872.5,933 ; 2762.5,934 2874.5,934 ; 2762.5,935 2877.5,935 ; 2762.5,936 2880.5,936 ; 2762.5,937 2886.5,937 ; 2762.5,938 3352.5,938 ; 2763.5,939 3352.5,939 ; 2763.5,940 3352.5,940 ; 2763.5,941 3352.5,941 ; 2763.5,942 3352.5,942 ; 2764.5,943 3352.5,943 ; 2764.5,944 3352.5,944 ; 2764.5,945 3352.5,945 ; 2765.5,946 3352.5,946 ; 2765.5,947 3352.5,947 ; 2766.5,948 3352.5,948 ; 2766.5,949 3352.5,949 ; 2767.5,950 3352.5,950 ; 2767.5,951 3352.5,951 ; 2767.5,952 3352.5,952 ; 2768.5,953 3352.5,953 ; 2769.5,954 3352.5,954 ; 2769.5,955 3352.5,955 ; 2770.5,956 3352.5,956 ; 2770.5,957 3352.5,957 ; 394.5,578 407.5,578 394.5,578 ; 394.5,579 408.5,579 394.5,579
  Top Layer w10: 3630,1860 3640,1860 3645,1855 3760,1855 ; 3755,1945 3760,1940 3760,1855 ; 3770,1765 3760,1775 3760,1855

## Polygon pours and split planes (outlines as drawn)
AIN2 on Top Layer "AIN2_L01_P009" (solid, pour order 9): 95,3885 3855,3885 3855,75 3820,40 135,40 40,135 40,3830
AIN2 on Top Layer "AIN2_L01_P003" (solid, pour order 3): 3899.26,103.05 3839.77,40.97 3835,110
AIN2 on Bottom Layer "AIN2_L02_P010" (solid, pour order 10): 107.09,3897.09 3817.91,3897.09 3895,3820 3895,130 3800,35 143.39,35 141.79,33.4 35,140.19 35,3760 30,3765 30,3820
AIN2 on Bottom Layer "AIN2_L02_P008" (solid, pour order 8): 70,215 50,215 40,205 50,195 50,85 75,85 70,90
AIN2 on Bottom Layer "AIN2_L02_P007" (solid, pour order 7): 71.38,3872.37 71.38,3846.38 15,3790 15,140 59.16,95.84 59.16,82.22

## Keep-outs
Keep-Out Layer:
  lines w10: 0,3745 cw(c195,3740) 200,3935 3760,3935 cw(c3747.5,3747.5) 3935,3735 3935,200 3935,195 cw(c3740,195) 3740,0 200,0 cw(c200,200) 0,200 0,3745 ; 0,3745 ccw(c0,3745) 0,3745 ; 0,3745 0,3745

## Silkscreen, mask and mechanical layers (free items; w line width, h text height)
Top Overlay:
  drawing of 1840 lines, arcs and shapes, not listed

## Text inside footprints (layer, text, board x,y; h text height)
JP2: Top Overlay "6" at 2310,2215 h40 r180; Top Overlay "5" at 2310,2315 h40 r180; Top Overlay "2" at 2670,2215 h40 r180; Top Overlay "1" at 2660,2315 h40 r180
USB: Top Overlay "GND" at 3723.31,1716.34 h40; Top Overlay "D+" at 3723.31,1616.34 h40; Top Overlay "D-" at 3723.31,1526.34 h40; Top Overlay "VCC" at 3723.31,1436.34 h40; Top Overlay "USB-A" at 4055.28,1731.38 h60 r270